# Altium PCB Quark_no.PcbDoc (part 2 of 3)
Units mil, origin at the board's own origin, x right, y up, seen from the top; angles counter-clockwise.
Board outline 877.01 x 1246.5 mil, 6 copper layers (Top1, Signal2, Power4, Gnd3, Signal5, Bottom6), stack 33.911 mil thick; 123 components, 164 nets, 918 pads, 390 vias.
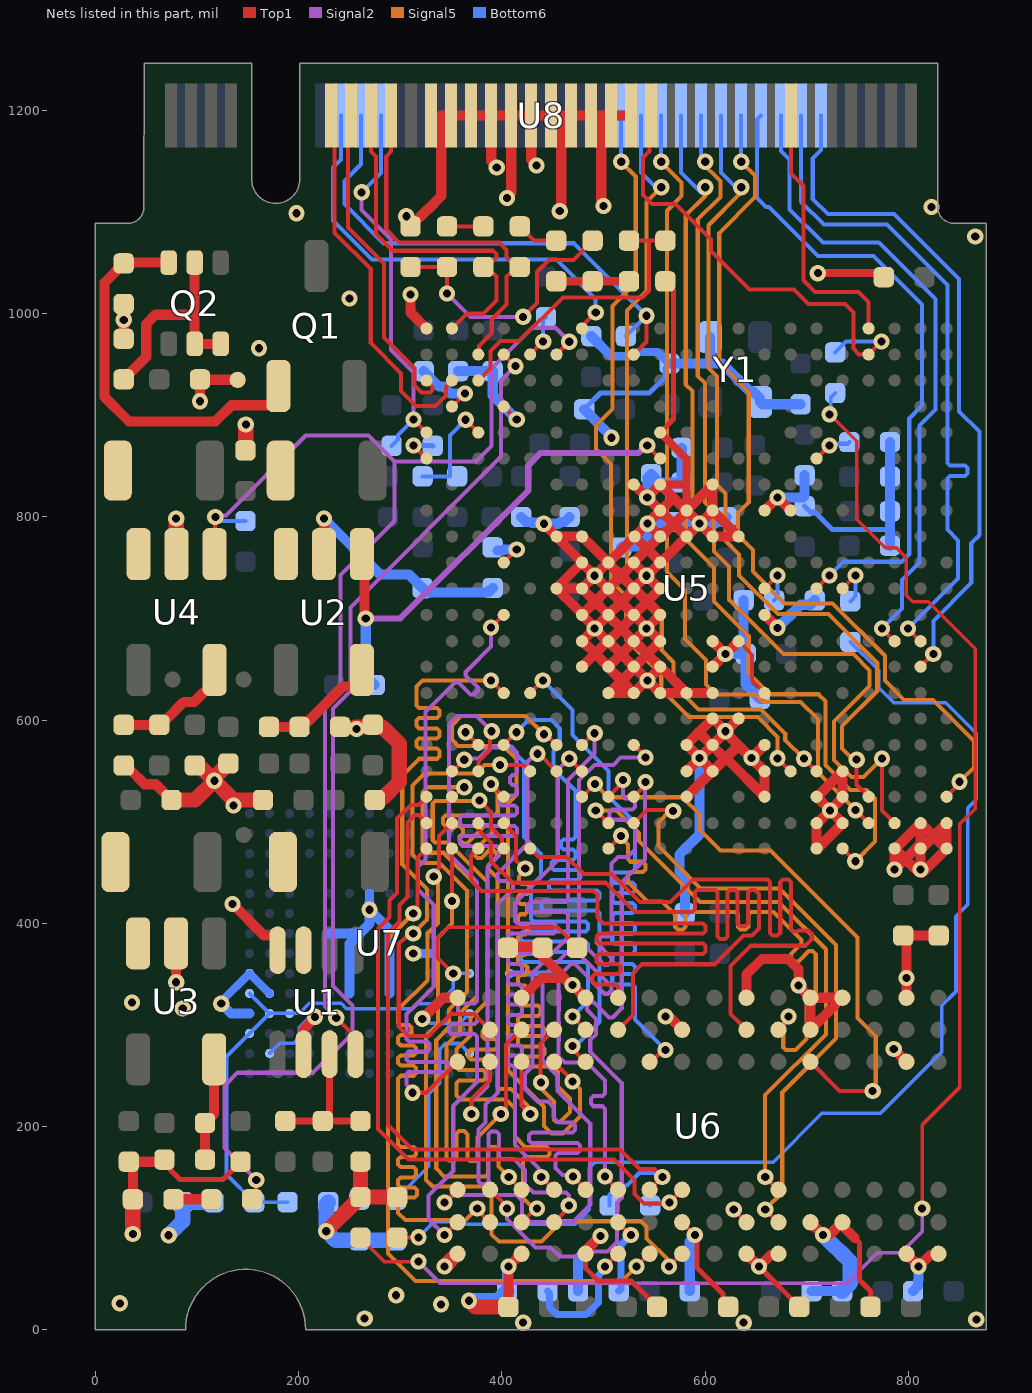
[diagram p6: the nets of this part, all layers, seen from the top]

## Via types
v1: diameter 16, hole 8, Top1 to Bottom6, tented both sides, 390 vias

## Nets (pads, with @x,y where several pads share a name; then routed paths per layer and width w, separated by ;. In a path a pad name is that pad's centre, name@x,y a point inside that pad or via, vN(x,y) a via of type N, cw(c..) or ccw(c..) an arc to the next point about the centre after c; other vN are vias at no path point) (continued)
GND: C1.1 C2.1 C3.1 C4.1 C6.1 C7.1 C8.1 C9.1 C10.1 C11.1 C13.1 C14.1 C15.1 C16.1 C17.1 C18.1 C19.1 C20.1 C21.1 C22.1 C24.1 C25.1 C26.1 C27.1 C28.1 C29.1 C30.1 C31.2 C32.1 C33.2 C34.1 C35.1 C36.1 C37.2 C38.1 C39.1 C40.1 C41.1 C42.1 C47.1 C48.2 C52.1 C53.1 C54.1 C55.1 C56.1 C57.2 C58.2 C59.1 C60.1 D1.2 D2.2 D3.2 R4.1 R5.1 R10.1 R11.1 R12.2 R13.1 R14.2 R15.2 R16.2 R19.1 R20.2 R32.1 R33.1 R35.1 T1.0 U1.4 U1.6 U2.2 U3.2 U4.2 U5.A20 U5.A21 U5.AA1 U5.B20 U5.B21 U5.C21 U5.E18 U5.E19 U5.E20 U5.F19 U5.F20 U5.F21 U5.G8 U5.H8 U5.H12 U5.H15 U5.H17 U5.H18 U5.H19 U5.J9 U5.J13 U5.J16 U5.K7 U5.K8 U5.K9 U5.K13 U5.K14 U5.K15 U5.K16 U5.K17 U5.K18 U5.L8 U5.L9 U5.L15 U5.L17 U5.L18 U5.L19 U5.M5 U5.M7 U5.M8 U5.M9 U5.M10 U5.M11 U5.M12 U5.M13 U5.M14 U5.M15 U5.N7 U5.N9 U5.N10 U5.N11 U5.N12 U5.N13 U5.N14 U5.N15 U5.P10 U5.P11 U5.P12 U5.P13 U5.P14 U5.P15 U5.R9 U5.R10 U5.R11 U5.R12 U5.R13 U5.R14 U5.T9 U5.T11 U6.A9 U6.B1 U6.B3 U6.B9 U6.D1 U6.D8 U6.E1 U6.E2 U6.E8 U6.F9 U6.G1 U6.G8 U6.G9 U6.J2 U6.J8 U6.M1 U6.M9 U6.P1 U6.P9 U6.T1 U6.T9 U7.A6 U7.C4 U7.E7 U7.G5 U7.H10 U7.J5 U7.K8 U7.N2 U7.N5 U7.P4 U7.P6 U8.27 U8.29 U8.31 U8.33 U8.35 U8.37 U8.39 U8.41 U8.43 U8.45 U8.47 Y1.2 Y1.4 | length 8666.4
  Top1 w3.5: C11.1@102.85,935.4 C11.1@103.25,935 ; U5.J13@633.05,677.65 646.2,664.5 646.2,639.09 U5.H15@658.64,626.65
  Top1 w4: U6.J8@577.48,105.81 v1(589.98,93.31) ; v1(628.22,118.31) U6.G8@640.72,105.81 ; U6.B9@797.7,74.81 v1(810.2,62.31)
  Top1 w5: R10.1@65.8,165.4 68.61,165.4 73.84,160.17 73.84,157.36 83.2,148 125.45,148 C1.1@142.85,165.4 ; U6.M9@482.48,74.81 482.48,60.52 495.16,47.84 527.56,47.84 R19.1@552.8,22.6 ; U5.M5@555.87,883.19 569,896.33 569,1022.62 560.98,1030.65 C48.2@560.98,1032 ; v1(589.98,93.31) 592,91.28 592,61 617.76,35.24 617.76,27.64 C14.1@622.8,22.6 ; v1(653.22,62.31) 692.8,22.73 C16.1@692.8,22.6 ; 747.2,90.33 752,85.54 752,49 762.8,38.2 C15.1@762.8,22.6
  Top1 w6: U6.J2@573.98,295.3 U6.J2@577.48,295.3
  Top1 w8: U8.39@448.57,1195.14 U8.39@449.33,1194.37 ; v1(457,1101) v1@458.41,1102.41 ; U8.45@505.72,1193.23 U8.45@507.62,1195.14 ; U5.M7@555.87,832.01 580.88,832.01 581.87,833 ; U5.M5@555.87,883.19 581.87,857.19 581.87,833 ; U5.L8@581.87,806.42 581.87,833 ; v1(711,1040) 772,1040 C52.1@776,1036
  Top1 w10: R11.1@27.85,555.4 32.85,550.4 34.99,550.4 48.49,536.9 59.35,536.9 C9.1@74.85,521.4 ; R13.1@27.85,975.4 v1(27.85,994) R14.2@27.85,1009.6 ; D2.2@36.8,128.4 36.8,161.45 C8.1@32.85,165.4 R10.1@65.8,165.4 ; v1(79.45,342) U3.2@79.45,380.26 ; v1@102.85,913.85 v1(102.85,913.94) C11.1@102.85,935.4 ; C11.1@103.25,935 T1.0@140,935 ; v1(135,419) 165.79,388.21 176.61,388.21 179.26,385.55 U1.4@179.26,373.58 ; U1.6@204.86,271.22 204.86,295.86 216,307 v1(216,308) ; U2.2@225,754 v1(225,798.45) ; v1(310,1019) 310,1001.42 U5.AA1@325.87,985.56 ; R32.1@310.18,1086 327.18,1103 327.45,1103 340.3,1115.85 340.3,1195.14 U8.29@350.14,1195.14 U8.31@369.83,1195.14 U8.33@389.51,1195.14 ; v1@323.6,308 342.39,326.79 U6.T1@356.48,326.79 ; v1@394,1146 389.51,1150.49 U8.33@389.51,1195.14 ; v1(405.18,1114) 405.18,1115.62 409.2,1119.64 U8.35@409.2,1195.14 ; C55.1@406,377 431,377 461.72,346.28 460.86,346.28 ; C17.1@406.4,22.4 406.4,62.24 v1(406.47,62.31) U6.P9@418.97,74.81 ; U6.P1@419.48,326.79 438.97,346.28 460.86,346.28 ; v1@434.58,1145.42 v1(434,1146) 434,1146.58 428.88,1151.7 U8.37@428.88,1195.14 ; v1(441.37,793.33) U5.T9@453.87,780.83 U5.R9@478.87,780.83 ; U5.T11@454.73,731.11 U5.R10@478.87,755.24 U5.T9@454.73,779.37 ; v1@458.41,1102.41 458.41,1195.14 ; U5.R12@478,705.52 U5.T11@453.87,729.65 U5.R11@478.87,729.65 ; U5.R14@478.87,652.65 491.87,665.65 ; U5.R13@478.87,677.65 v1(491.37,690.15) ; U5.R10@478.87,754.65 v1(491.37,742.15) ; U5.R13@480.73,676.78 491.87,665.65 ; U5.R9@480.73,779.37 U5.P10@504.87,755.24 ; U6.M9@482.48,74.81 482.48,76.43 485.48,79.43 485.48,80.81 v1(497,92.33) ; U6.M1@482.48,326.79 481.98,326.79 v1(469.47,339.3) 467.85,339.3 460.86,346.28 ; v1@491.37,691.15 U5.R12@478.87,703.65 491.87,716.65 ; v1(500,1106) 498.85,1107.15 498.85,1111.39 497.78,1112.46 497.78,1195.14 ; U5.P13@503,676.78 491.87,665.65 ; U5.P12@503,705.52 491.87,716.65 ; U5.P11@503,727.78 491.87,716.65 ; U5.P13@503.87,677.65 v1(491.37,690.15) ; U5.P12@503.87,702.65 v1(491.37,690.15) ; U5.P11@503.87,729.65 v1(491.37,742.15) ; U5.P10@503.87,754.65 v1(491.37,742.15) ; U5.P15@504.87,626.65 U5.N15@529.87,626.65 ; U5.P13@504.87,677.65 517.37,690.15 ; U5.P12@504.87,703.65 517.37,716.15 ; U5.P11@504.87,729.65 517.37,742.15 ; U5.P14@505.73,650.78 517.87,638.65 ; U5.P13@505.73,676.78 517.37,665.15 ; U5.P12@505.73,701.78 517.37,690.15 ; U5.P11@505.73,727.78 517.37,716.15 ; U5.P10@505.73,753.78 517.37,742.15 ; U5.P10@506.55,756.7 U5.N9@530.69,780.83 ; U5.P15@506.73,627.52 517.87,638.65 ; U8.47@527.31,1195.14 U8.45@507.62,1195.14 497.78,1195.14 ; U5.N13@529,676.78 517.37,665.15 ; U5.N12@529,701.78 517.37,690.15 ; U5.N11@529,728 529,727.78 517.37,716.15 ; U5.N10@529,753.78 517.37,742.15 ; U5.N14@529.87,652.65 517.37,665.15 ; U5.N10@529.87,754.65 v1(542.37,742.15) ; U5.N10@529.87,755.24 543.07,768.45 ; U5.N7@530.57,831.72 v1(543.07,819.22) ; U5.N14@531.73,653.52 543.37,665.15 ; U5.N13@531.73,676.78 543.37,665.15 ; U5.N12@531.73,705.52 542.87,716.65 ; U5.N11@531.73,727.78 542.87,716.65 ; v1@542.37,639.15 U5.N15@529.87,626.65 ; v1@542.37,691.15 U5.N12@529.87,703.65 517.37,716.15 ; v1@543.37,690.15 U5.M13@555.87,677.65 543.37,665.15 ; v1@543.37,742.74 U5.M10@555.87,755.24 ; v1@543.37,793.33 U5.M9@555.87,780.83 ; U5.M9@554,779.37 543.07,768.45 ; U5.M10@554.82,756.7 543.07,768.45 ; U5.M12@554.87,702.65 v1(542.37,690.15) U5.N13@529.87,677.65 517.37,690.15 ; U5.M11@554.87,729.65 v1(542.37,742.15) ; U5.M7@555.57,831.72 v1(543.07,819.22) ; U5.M14@555.87,651.65 v1(543.37,639.15) ; U5.M14@555.87,652.65 543.37,665.15 ; U5.M12@555.87,703.65 542.87,716.65 ; U5.M11@555.87,729.65 542.87,716.65 ; U5.M7@555.87,832.01 U5.L8@580,807.88 ; U5.M14@557.73,650.78 U5.L15@581.87,626.65 ; U5.M10@557.73,756.7 U5.L9@581.87,780.83 v1(594.66,793.63) ; U5.M9@558.03,781.99 569.16,793.13 ; v1@562.12,307.15 565.62,307.15 U6.J2@577.48,295.3 ; 567.41,817.56 v1(543.28,793.42) U5.N9@530.69,780.83 ; U5.L9@580,782.29 569.16,793.13 ; U5.L19@581.87,524.65 604,546.78 U5.K18@604,549 ; U5.L18@581.87,549.65 v1@594.66,562.45 ; U5.L17@581.87,575.65 v1(594.66,562.85) ; U5.L8@581.87,806.42 U5.K7@606,830.56 ; U5.L17@583.32,577.52 U5.K16@607.46,601.65 v1(619.96,589.15) 620.55,589.15 U5.J16@633.05,601.65 ; 593.87,588.13 593.9,588.1 606.9,575.1 618,564 ; v1@594.96,793.33 U5.K9@607.46,780.83 ; v1@595.25,793.63 607.75,806.13 620.25,793.63 ; U5.K15@607.46,626.65 U5.L15@581.87,626.65 ; U5.K14@607.46,652.65 v1(619.96,665.15) U5.K13@607.46,677.65 ; U5.K8@607.46,806.42 U5.K7@607.46,832.01 ; 618.64,564.64 620.55,562.74 U5.H19@658.64,524.65 U5.H18@658.64,549.65 v1(645.64,562.65) ; v1@618.8,586.99 U5.K17@607.46,575.65 v1(594.66,562.85) ; v1@620.55,665.15 U5.J13@633.05,677.65 ; 620.55,793.33 U5.J9@633.05,780.83 U5.K9@607.46,780.83 ; v1@621.5,586.78 v1(645.64,562.65) ; 631.59,573.78 U5.K18@607.46,549.65 v1@594.66,562.44 ; U6.G9@640.72,74.81 v1(653.22,62.31) 664.57,73.66 671.07,73.66 U6.F9@672.22,74.81 ; U6.G1@640.72,326.79 640.72,349.72 656,365 682,365 692,355 v1(692,339) 692,338.5 U6.E1@703.71,326.79 ; U5.H17@658.64,575.65 v1(645.64,562.65) ; U5.H12@658.64,703.65 v1(671.43,690.85) ; U5.H8@658.64,806.42 v1(671.43,819.22) ; v1@671.73,818.92 U5.G8@684.23,806.42 ; U6.E8@703.71,105.81 v1(716.21,93.31) 717.36,94.46 723.86,94.46 U6.D8@735.21,105.81 ; U5.F21@709.82,473.65 U5.F20@709.82,498.65 710.36,498.65 U5.F20@711.36,499.65 ; U5.F19@709.82,524.65 722.91,511.56 v1(722.91,511.15) ; U5.F21@711.28,474.52 U5.E20@735.41,498.65 v1(722.91,511.15) ; U5.F19@711.28,525.52 U5.E18@735.41,549.65 U5.E19@735.41,524.65 735.41,524.11 734.41,523.11 734.41,522.65 v1(722.91,511.15) ; U5.F20@711.41,499.65 v1(722.91,511.15) ; 727.85,319.43 U6.E2@703.71,295.3 U6.E1@703.71,326.79 ; U6.D1@735.21,326.79 U6.E1@703.71,326.79 ; U6.D8@738.21,99.33 747.2,90.33 ; v1(785.7,276.3) U6.B3@798.2,263.8 ; U5.C21@788.05,474.52 U5.B20@812.18,498.65 ; U6.B9@798.2,74.81 798.36,74.81 807.06,66.11 814,66.11 821.55,73.66 828.55,73.66 U6.A9@829.7,74.81 ; U6.B1@798.2,326.79 v1(798.2,346.28) 798.2,384.8 C22.1@795,388 C21.1@830,388 ; U5.B21@810.72,477.13 v1(786.59,453) U5.C21@786.59,473.65 806.09,454.15 811.03,454.15 v1(812.18,453) U5.B21@812.18,473.65 U5.B20@812.18,498.65 ; v1@813.64,449.52 U5.A21@837.77,473.65 ; U5.B21@813.64,474.52 U5.A20@837.77,498.65 U5.A21@837.77,478.59 ; U5.A21@836.32,474.52 U5.B20@812.18,498.65 ; U8.33@389.51,1195.14 U8.35@409.2,1195.14 ; U8.35@409.2,1195.14 U8.37@428.88,1195.14 ; U8.37@428.88,1195.14 U8.39@448.57,1195.14 458.41,1195.14 ; 458.41,1195.14 U8.41@468.25,1195.14 U8.43@487.94,1195.14 497.78,1195.14 ; U5.R11@478.87,729.65 491.87,716.65 ; U5.R11@478.87,729.65 v1(491.37,742.15) ; 491.87,665.65 U5.P14@504.87,652.65 517.37,665.15 ; 517.37,742.15 U5.N11@529.87,729.65 v1(542.37,742.15) ; 517.87,638.65 530.87,651.65 v1(543.37,639.15) ; 517.87,638.65 U5.N15@529.87,626.65 ; U5.N9@530.69,780.83 543.07,768.45 ; v1(543.07,819.22) U5.M8@555.87,806.42 556.07,806.22 569.16,793.13 ; v1(543.37,639.15) U5.M15@555.87,626.65 U5.L15@581.87,626.65 ; 569.16,793.13 582.16,806.13 v1(594.66,793.63) ; v1@594.66,562.45 v1(594.66,562.85) ; v1(594.66,793.63) U5.K9@607.46,780.83
  Top1 w15: v1(36.8,94.2) D2.2@36.8,128.4 ; C9.1@74.85,521.4 98,521.4 v1(117,540.4) ; v1(79.45,798.45) 79.45,763.86 U4.2@79.85,763.46 ; C4.1@97.85,555.4 100.35,552.9 104.5,552.9 v1(117,540.4) ; C6.1@130.85,557.4 117,543.55 v1(117,540.4) ; C7.1@147.65,865.6 148.05,866 v1(148.05,891) ; C3.1@164.85,521.4 136,521.4 v1(117,540.4) ; v1(227.2,97) D3.2@260.8,130.6 ; v1@255.8,593.4 282.6,593.4 299,577 299,539.4 283.5,523.9 277.5,523.9 C2.1@275,521.4 ; R5.1@260.85,165.51 260.8,165.46 D3.2@260.8,130.6 ; D1.2@297,130.6 D3.2@260.8,130.6 ; v1(343.47,62.31) 355.47,74.31 355.7,74.31 356.2,74.81 U6.T9@356.48,74.81 ; v1(367.7,28.59) 367.97,28.59 374.16,22.4 C17.1@406.4,22.4
  Bottom6 w3.5: v1(123.76,321) v1@123.76,322.81 ; U7.P6@151.66,350.71 U7.N5@171.35,331.03 ; U7.N2@171.35,271.97 181.26,281.88 195.09,281.88 200.81,287.61 200.81,297.81 v1@214,311 ; v1(321.6,306) 324.98,306 329.42,301.57 358.42,301.57 U7.C4@368.2,311.34
  Bottom6 w5: C30.1@481,905.91 497,921.91 545.07,921.91 560.74,937.58 560.74,946.74 C32.1@565,951 ; v1(508,878) v1@508,878.91 ; C27.1@698,810.62 703.96,804.66 708.34,804.66 725.29,787.71 782,787.71
  Bottom6 w6: U7.A6@407.57,350.71 458.06,350.71 v1(469.47,339.3)
  Bottom6 w8: v1@123.76,322.81 U7.P6@151.66,350.71 U7.N5@171.35,331.03 ; 506.5,959.5 507.77,958.23 529.9,958.23 534.05,962.37 553.08,962.37 564.46,951 C32.1@565,951
  Bottom6 w9.06: v1@269.77,420.7 U7.H10@269.77,429.45 ; v1@320.08,370.4 U7.E7@328.83,370.4
  Bottom6 w10: v1(123.76,321) 133.42,311.34 U7.P4@151.66,311.34 ; v1(225,798.45) 279.95,743.5 308.5,743.5 R12.2@322,730 326.35,725.65 385.51,725.65 387.26,727.4 387.26,726.41 R20.2@391,730.15 ; U7.K8@230.41,390.08 260.09,390.08 ; U7.J5@250.09,331.03 250.09,380.09 260.09,390.08 ; v1@269.78,420.7 v1(269.78,413.43) ; U7.G5@289.46,331.03 289.46,393.74 v1(269.78,413.43) ; v1(312.8,370.4) v1@320.08,370.4 ; R16.2@405,38 405,59.21 406.47,60.68 v1(406.47,62.31) ; C47.1@419,800 424,795 429.21,795 429.86,794.35 440.35,794.35 v1(441.37,793.33) 455.85,793.33 457.52,795 461.71,795 C41.1@466.71,800 ; R15.2@475,38 475,70.33 v1(497,92.33) ; C30.1@481,905.91 v1@508,878.91 ; C10.1@488,978 506.5,959.5 ; C40.1@517.46,770 518.34,770.87 534.87,770.87 543.28,779.28 v1(543.28,793.42) 566.79,793.42 C34.1@568.37,795 591.67,795 593.04,793.63 v1(594.66,793.63) 610.36,793.63 611.73,795 616.22,795 C35.1@621.22,800 ; v1(543.07,819.22) 543.67,819.82 543.67,838.67 C39.1@547,842 555,834 C29.1@577,834 C37.2@577,868 ; C32.1@565,951 604,951 ; C24.1@580.16,410 580.16,446.02 574.86,451.32 574.86,467.89 594.66,487.69 v1(594.66,562.85) ; C20.1@585,38 585,86.71 589.98,91.68 v1(589.98,93.31) ; Y1.2@605,977 605,952 604,951 ; v1(619.96,665.15) C25.1@640,665.15 ; C36.1@638,718 638,667.15 C25.1@640,665.15 ; C28.1@654,621 640,635 C25.1@640,665.15 ; v1(671.43,690.85) 694.15,713.57 703.57,713.57 C33.2@708,718 ; v1(671.43,819.22) 696.22,819.22 698,821 C26.1@698,841 ; C31.2@694,911 656.43,911 Y1.4@654.21,913.22 654.21,916.67 647.47,923.41 644.59,923.41 617,951 604,951 ; C19.1@705,38 C13.1@735,38 ; C42.1@782,771.71 782,787.71 C38.1@782,805.62 C53.1@782,839.71 R33.1@782,873.71 ; C18.1@804.68,38 809.68,43 809.68,48.34 810.2,48.86 v1(810.2,62.31) ; 260.09,390.08 269.78,399.78 v1(269.78,413.43)
  Bottom6 w15: v1(72.06,93) 85.89,106.83 85.89,125.49 R35.1@86,125.6 C58.2@116.2,125.6 ; C57.2@229.1,125.6 227.2,123.7 v1(227.2,97) 227.47,97 236.47,88 C60.1@259.8,88 C59.1@295.8,88 ; v1(367.7,28.59) 395.59,28.59 R16.2@405,38 ; v1(716.21,93.31) 743,66.52 743,46 C13.1@735,38
  other v1: 421,7 638,7 867,10 265,11 340,25 24,26 296,34 560.98,308.3 85.98,316.12 36,322 135.98,516.12 257,591.4 160.98,966.12 250,1015 866,1076 306,1096 198,1099 823,1105 395,1144
GPIOA10/STATUS-LED: R36.1 U5.E11 | length 45.7
  Top1 w4: U5.E11@735.41,729.65 v1(748.21,742.45)
  Bottom6 w4: R36.1@743,717 748.21,722.21 v1(748.21,742.45)
GPIOG11: R38.1 U5.D2 U8.49 | length 462
  Top1 w4: U8.49@545.41,1193.56 545.41,1159.98 539,1153.57 539,1117 548,1108 571.04,1108 606,1073.04 606,1061.8 643.8,1024 687.64,1024 702.04,1009.6 737.6,1009.6 746,1001.2 746,965.64 751.67,959.96 U5.D2@761,959.96 v1(773.8,972.76)
  Bottom6 w4: R38.1@728,962 738.76,972.76 v1(773.8,972.76)
GPIOG12/USB0-OTGID: U5.D1 U8.63 | length 266.1
  Top1 w4: U8.63@684.79,1195.14 684.79,1138.21 697,1126 697,1033 708.4,1021.6 751,1021.6 761,1011.6 U5.D1@761,985.56
GPIOL3/K1: U5.R1 U8.18 | length 431.6
  Top1 w4: U5.R1@478.87,985.56 478.87,987.72 482.2,991.06 482.2,991.19 v1(492.37,1001.35)
  Bottom6 w4: U8.18@241.87,1195.14 241.87,1151.87 234,1144 234,1091.8 272.4,1053.4 453.6,1053.4 492.37,1014.63 v1(492.37,1001.35)
GPIOL4/RECOVERY: R23.1 U5.N2 U8.20 | length 508.8
  Top1 w4: U5.N2@529.87,959.96 542.37,972.46 v1(542.37,998.06)
  Bottom6 w4: U8.20@261.56,1195.14 261.56,1147.16 245,1130.6 245,1108 283.6,1069.4 471.02,1069.4 v1(542.37,998.06) 522.31,978 R23.1@522,978
GPIOL8/PWR-STB: R6.1 U1.8 U4.1 U5.T2 | length 1197.8
  Top1 w4: U4.1@117.25,763.46 117.63,763.83 117.63,799.63 v1(118,800) ; v1(237.04,307) 256.04,288 U1.8@256.04,271.22 ; U5.T2@453.87,959.96 v1(466.37,972.46)
  Signal2 w4: v1(118,800) 119.4,801.4 128.4,801.4 207,880 268.73,880 294.23,854.5 ; v1(237.04,307) 237.04,307.31 226,318.34 226,620 241,635 241,743 294.23,796.23 294.23,854.5 ; v1(466.37,972.46) 452.57,986.26 430.26,986.26 390,946 390,870 374.5,854.5 294.23,854.5
  Bottom6 w4: 125.25,796 R6.1@147.65,796
GPIOL9/PWR-DRAM: R1.1 U2.1 U5.M6 | length 514.2
  Top1 w4: v1(543.07,870.4) U5.M6@555.87,857.6
  Top1 w10: U2.1@262.25,763.46 264.85,760.86 264.85,701.3 v1(266,700.15)
  Signal2 w6: v1(266,700.15) 300.15,700.15 426,826 426,850.62 438.38,863 534.56,863 541.95,870.4 v1(543.07,870.4)
  Bottom6 w10: v1(266,700.15) 266,643.4 R1.1@274.8,634.6
GPIOL10/PWR-LED: R37.1 U5.V2 | length 1032
  Top1 w4: R37.1@154.2,128.4 158.28,132.48 v1(158.28,147.5) v1@156,149.78 ; U5.V2@401.87,959.96 v1(413.37,948.46)
  Signal2 w4: v1(158.28,147.5) 127,178.78 127,240 140,253 214.23,253 253,291.77 253,319.31 234,338.31 234,611.7 251,628.7 251,711 399.35,859.35 399.35,934.45 v1(413.37,948.46)
I2C0_SCL: U5.F11 U8.60 | length 645.3
  Top1 w4: U5.F11@709.82,729.65 v1(722.61,742.45)
  Bottom6 w4: U8.60@655.26,1195.14 651.35,1191.23 651.35,1163.65 651,1163.3 651,1114 660,1105 663,1105 711,1057 766,1057 813.7,1009.3 813.7,909.7 801,897 801,763.32 793.63,755.95 736.11,755.95 v1(722.61,742.45)
I2C0_SDA: U5.C13 U8.62 | length 639.5
  Top1 w4: v1(774.09,690.15) U5.C13@786.59,677.65
  Bottom6 w4: U8.62@674.94,1195.14 674.94,1160.06 683.22,1151.78 683.22,1102.78 716,1070 771,1070 826.68,1014.32 826.68,905.68 811,890 811,755 794,738 794,710.06 v1(774.09,690.15)
I2C1_SCL: U5.B13 U8.64 | length 677.1
  Top1 w4: v1(799.68,690.15) U5.B13@812.18,677.65
  Bottom6 w4: U8.64@694.63,1195.14 694.63,1110.23 716.86,1088 779,1088 838.48,1028.52 838.48,853 840.98,850.5 855.73,850.5 858.23,848 858.23,843 855.73,840.5 840.98,840.5 838.48,838 838.48,787.52 849,777 849,739.47 v1(799.68,690.15)
I2C1_SDA: U5.B14 U8.66 | length 675.9
  Top1 w4: U5.B14@812.18,652.65 v1(824.68,665.15)
  Bottom6 w4: U8.66@714.31,1195.14 714.31,1161.31 706,1153 706,1113 721,1098 786.05,1098 850,1034.05 850,904 870,884 870,782 862,774 862,735 824.68,697.68 v1(824.68,665.15)
IR-RX: R24.1 U5.U2 | length 43.2
  Top1 w4: U5.U2@427.87,959.96 v1(440.66,972.76)
  Bottom6 w4: v1(440.66,972.76) 440.66,993.97 R24.1@443.41,996.71
KEYADC: R27.2 U5.AA5 U8.22 | length 381.3
  Top1 w4: v1(313.07,895.99) U5.AA5@325.87,883.19
  Signal2 w4: v1(262,1119.5) 262,1102.18 291,1073.18 291,964.32 313.07,942.25 v1(313.07,895.99)
  Bottom6 w4: v1(262,1119.5) 281.24,1138.74 U8.22@281.24,1195.14 ; R27.2@291.46,870 297.61,876.15 297.61,880.53 v1(313.07,895.99)
LINEOUTL: U5.AA3 U8.19 | length 328.3
  Top1 w4: U8.19@251.72,1195.14 248.37,1191.79 248.37,1085.01 284,1049.38 284,976.47 313.85,946.62 313.85,929.42 320.9,922.37 329.52,922.37 331.87,924.72 331.87,928.03 325.87,934.03 U5.AA3@325.87,934.37
LINEOUTR: U5.Y3 U8.17 | length 371.3
  Top1 w4: U8.17@232.03,1195.14 235.37,1191.79 235.37,1079.63 271,1044 271,971.09 300.85,941.23 300.85,924.03 315.51,909.37 334.91,909.37 344.87,919.33 344.87,928.03 350.87,934.03 U5.Y3@350.87,934.37
MBIAS: C48.1 R29.2 U5.W3 | length 299.9
  Top1 w4: U5.W3@376.87,934.37 389,946.51 389,963.4 398.6,973 417,973 460,1016 538.6,1016 545,1022.4 545,1072 ; R29.2@525.15,1072 545,1072 ; C48.1@560.98,1072 545,1072
MIC1N: C51.2 R31.2 | length 35.8
  Top1 w4: R31.2@346,1086 C51.2@381.83,1086
MIC1P: C49.2 R30.1 | length 41.6
  Top1 w4: C49.2@417.66,1086 431.66,1072 R30.1@453.49,1072
MICIN1N: C51.1 U5.Y1 U8.21 | length 361
  Top1 w4: U8.21@271.4,1195.14 271.4,1159.6 276.24,1154.76 276.24,1078.62 292.86,1062 391.39,1062 394.75,1058.64 394.75,1055.33 391.57,1052.15 387.98,1052.15 C51.1@381.83,1046 387.98,1039.85 391.57,1039.85 394.75,1036.67 394.75,1013.14 381.61,1000 365.31,1000 U5.Y1@350.87,985.56
MICIN1P: C49.1 U5.W2 U8.23 | length 370.6
  Top1 w4: U8.23@291.09,1195.14 291.09,1159.84 286.24,1155 286.24,1082.76 299,1070 397.53,1070 404.75,1062.78 404.75,1055.33 407.93,1052.15 411.51,1052.15 C49.1@417.66,1046 411.51,1039.85 407.93,1039.85 404.75,1036.67 404.75,1009 390.07,994.32 390.07,981.07 377.4,968.4 377.4,960.5 U5.W2@376.87,959.96 U5.W2@376.66,959.96
NetC5_1: C5.1 R2.1 R5.2 U1.7 | length 142.4
  Top1 w7: C5.1@186.85,205.51 R2.1@223.85,205.51 ; U1.7@230.45,271.22 230.45,212.92 223.85,206.33 R2.1@223.85,205.51 ; R5.2@260.85,205.51 R2.1@223.85,205.51
NetC33_1: C33.1 U5.H11 | length 44
  Top1 w4: U5.H11@658.64,729.65 v1(671.43,742.45)
  Bottom6 w4: C33.1@668,718 671.43,721.43 v1(671.43,742.45)
NetC43_1: C43.1 U5.Y4 | length 67.9
  Top1 w4: U5.Y4@350.87,908.78 v1(363.66,921.58)
  Bottom6 w10: C43.1@323,943.56 338.06,928.5 342.59,928.5 349.51,921.58 v1(363.66,921.58)
NetC44_2: C44.2 R25.2 U5.W5 | length 106.5
  Top1 w4: v1(364.37,895.69) U5.W5@376.87,883.19
  Bottom6 w4: C44.2@322,840 348.68,840 349,840.32 349,880.33 v1(364.37,895.69)
NetC45_2: C45.2 C46.2 U5.V4 | length 109.5
  Top1 w4: U5.V4@401.87,908.78 v1(414.66,895.99)
  Bottom6 w10: C46.2@357,943.56 C45.2@391,943.56 391,919.65 v1(414.66,895.99)
NetC50_1: C50.1 R31.1 R32.2 | length 263.7
  Top1 w4: R32.2@310.18,1046 R31.1@346,1046 v1(346,1020) ; v1(421,997) 434.66,1010.66 434.66,1041.35 446.31,1053 470.32,1053 C50.1@489.32,1072
  Signal2 w4: v1(346,1020) 369.01,997 v1(421,997)
NetC50_2: C50.2 R29.1 R30.2 | length 71.7
  Top1 w8: R30.2@453.49,1032 C50.2@489.32,1032 R29.1@525.15,1032
NetC57_1: C57.1 C58.1 R34.2 U7.C6 U7.M4 U7.N4 U7.P3 U7.P5 | length 691.9
  Top1 w3.5: v1(352.17,350.72) 337,365.89 337,386 347,396 455,396 R34.2@474,377
  Bottom6 w3.5: U7.P5@151.66,331.03 U7.N4@171.35,311.34 ; C57.1@189.1,125.6 C58.1@156.2,125.6 129,152.8 129,269 U7.P3@151.66,291.66 U7.N4@171.35,311.34 ; U7.C6@368.2,350.71 359.45,350.71 v1(352.17,350.72) 352.17,336.17 336.78,320.78 316.93,320.78 312.19,316.04 247.04,316.04 241.84,321.25 210.51,321.25 200.81,311.55 191.24,311.55 U7.M4@191.03,311.34 U7.N4@171.35,311.34
NetC59_2: C59.2 C60.2 U7.C2 | length 237.2
  Bottom6 w3.5: C60.2@259.8,128 295,128 328,161 328,232 338.74,242.74 338.74,276.03 344.47,281.75 358.42,281.75 U7.C2@368.2,271.97
NetD1_1: D1.1 R36.2 | length 1137
  Top1 w3.5: D1.1@297,90.6 297.2,90.8 317.8,90.8 v1(318,91)
  Bottom6 w3.5: v1(318,91) 333.56,106.56 356.44,106.56 359,104 472,104 486,118 486,159.33 491.67,165 667,165 715,213 772.63,213 833,273.37 833,319 847,333 847,407 858.5,418.5 858.5,513.5 867,522 867,587 837,617 786,617 771,632 771,649 R36.2@743,677
NetD2_1: D2.1 R37.2 | length 37.4
  Top1 w10: D2.1@76.8,128.4 R37.2@114.2,128.4
NetD3_1: D3.1 R38.2 | length 1521.2
  Top1 w3.5: D3.1@260.8,90.6 284.28,67.12 v1(318,67.12) ; v1(722.61,901) 749.2,874.41 749.2,797.8 777.42,769.58 788.42,769.58 798.2,759.8 798.2,722.8 804.55,716.45 819.55,716.45 865.82,670.18 865.82,512.82 850.52,497.52 850.52,238.52 814,202 v1@814,114
  Signal2 w3.5: v1(318,67.12) 339.12,46 740,46 770,76 793,76 813.7,96.7 v1(813.7,119.31)
  Bottom6 w3.5: v1(722.61,901) 723.65,902.04 723.65,917.65 R38.2@728,922
NetL1_1: L1.1 U1.3
NetL2_1: L2.1 U2.3
NetL3_1: L3.1 U3.3
NetL4_1: L4.1 U4.3
NetQ1_1: Q1.1 Q2.3 R14.1 | length 386.4
  Top1 w10: Q2.3@72.06,1050.4 28.65,1050.4 R14.1@27.85,1049.6 9,1030.75 9,917.97 32.97,894 118,894 134,910 173,910 180.05,917.05 Q1.1@180.05,928.95
NetQ2_2: Q2.2 Q2.5 Q2.6 R13.2 | length 221.2
  Top1 w10: R13.2@27.85,935.4 50,957.55 50,990.01 58.99,999 96.65,999 97.65,998 ; Q2.2@97.65,1050.4 97.65,998 ; Q2.6@123.24,970.4 Q2.5@97.65,970.4 97.65,998
NetR3_2: R3.2 R4.2 U2.5 | length 120.3
  Top1 w10: R3.2@170.85,593.4 195.85,593.4 200.85,598.4 208.85,598.4 243.5,633.05 255.51,633.05 262.25,639.79 U2.5@262.25,649.46
NetR8_2: R8.2 R10.2 U3.5 | length 102.5
  Top1 w10: R10.2@107.88,167.48 R8.2@107.88,203.48 116.85,212.45 U3.5@116.85,266.26
NetR9_1: R9.1 R11.2 U4.5 | length 118.5
  Top1 w10: R11.2@27.85,595.4 R9.1@62.85,595.4 67.85,600.4 69.4,600.4 87,618 97.23,618 117.25,638.02 U4.5@117.25,649.46
NetR15_1: R15.1 U6.L8 | length 77.9
  Top1 w4: U6.L8@514.48,105.81 v1(526.98,93.31)
  Bottom6 w7: R15.1@515,38 517.37,40.37 517.37,83.7 v1(526.98,93.31)
NetR16_1: R16.1 U6.L9 | length 128.4
  Top1 w4: v1(501.47,62.31) U6.L9@513.97,74.81
  Bottom6 w7: R16.1@445,38 446.96,36.04 446.96,22.04 454,15 483,15 495,27 495,53.71 501.47,60.18 v1(501.47,62.31)
NetR20_1: R20.1 U5.V10 | length 37.1
  Top1 w4: U5.V10@401.87,755.24 v1(414.66,768.04)
  Bottom6 w10: R20.1@396,767.15 400.97,767.15 401.86,768.04 v1(414.66,768.04)
NetR28_2: R28.2 U5.AA6 | length 37.2
  Top1 w4: v1(313.07,870.4) U5.AA6@325.87,857.6
  Bottom6 w5: v1(313.07,870.4) 313.27,870.2 331.8,870.2 R28.2@332,870
NetR33_2: R33.2 U5.F6 | length 38.9
  Top1 w4: U5.F6@709.82,857.6 v1(722.61,870.4)
  Bottom6 w4: v1(722.61,870.4) 724.27,872.05 740.34,872.05 R33.2@742,873.71
SA0: U5.T17 U6.N3 | length 693.4
  Top1 w4: v1@442.37,587.15 U5.T17@453.87,575.65 ; U6.N3@450.97,263.8 v1@470.47,244.3
  Signal5 w4: v1(441.37,586.15) 423.52,604 360,604 350.87,594.87 350.87,580.78 357,574.65 401.35,574.65 414.37,561.63 414.37,526.37 405.94,517.94 405.94,255.07 441.51,219.5 441.51,200.49 449,193 460,193 477,210 477,236.77 v1(469.47,244.3)
SA1: U5.U18 U6.P7 | length 689.3
  Top1 w4: v1(398.3,556) 421.52,556 U5.U18@427.87,549.65 ; v1(406.78,150.34) U6.P7@419.28,137.84
  Signal5 w4: v1(398.3,556) 383,556 374.5,547.5 323.75,547.5 312,535.75 312,467.7 320.2,459.5 338.59,459.5 365.67,432.42 365.67,332.67 348,315 348,297.76 335.45,285.21 335.45,158.55 343,151 384,151 386.5,153.5 386.5,177.17 389,179.67 394,179.67 396.5,177.17 396.5,160.62 v1(406.78,150.34)
SA2: U5.V19 U6.P3 | length 665
  Top1 w4: v1(389.37,537.15) U5.V19@401.87,524.65 ; U6.P3@419.48,263.8 419.48,220.84 v1(428.01,212.3)
  Signal5 w4: v1(389.37,537.15) 389.37,535.38 395.94,528.81 395.94,508.94 393,506 344.34,506 342,503.66 342,498.52 349.26,491.26 350.16,491.26 354.64,495.74 358.17,495.74 361.71,492.2 361.71,488.67 358.55,485.51 358.55,481.97 362.08,478.43 365.62,478.43 383.78,496.6 387.32,496.6 390.85,493.06 390.85,489.53 372.69,471.36 372.69,467.83 376.23,464.29 379.76,464.29 387.92,472.45 391.46,472.45 394.99,468.92 394.99,465.38 386.83,457.22 386.83,453.69 395.67,444.85 395.67,298.5 393.17,296 383.5,296 381,293.5 381,288.5 383.5,286 393.17,286 395.67,283.5 395.67,278.5 393.17,276 369.5,276 367,273.5 367,268.5 369.5,266 393.17,266 395.67,263.5 395.67,239.33 398.07,236.93 408.93,236.93 425.72,220.14 425.72,214.6 v1(428.01,212.3)
SA3: U5.V20 U6.N2 | length 666.1
  Top1 w4: U5.V20@401.87,498.65 414,486.52 414,462 v1@422.5,453.5 ; v1(438.47,243.3) 437.98,243.8 437.98,281.8 U6.N2@451.48,295.3
  Signal5 w4: v1@422,453 422,451 417,446 417,441.23 419.34,438.89 424.89,438.89 427.28,436.5 427.28,431.5 424.78,429 418.44,429 415.94,426.5 415.94,421.5 418.44,419 423,419 425,417 425,411 423,409 418.44,409 415.94,406.5 415.94,401.5 418.44,399 423,399 425,397 425,391 423,389 418.44,389 415.94,386.5 415.94,381.5 418.44,379 423,379 425,377 425,371 423,369 418.44,369 415.94,366.5 415.94,361.5 418.44,359 423,359 425,357 425,351 423,349 418.44,349 415.94,346.5 415.94,341.5 418.44,339 423,339 425,337 425,331 423,329 418.44,329 415.94,326.5 415.94,321.5 418.44,319 435.72,319 438.22,316.5 438.22,311.5 435.72,309 418.44,309 415.94,306.5 415.94,301.5 418.44,299 439.17,299 441.67,296.5 441.67,291.5 439.17,289 418.44,289 415.94,286.5 415.94,281.5 418.44,279 439.67,279 442.17,276.5 442.17,271.5 439.67,269 418.94,269 416.44,266.5 416.44,261.5 418.94,259 450,259 455,254 455,239.68 467,227.68 467,214.14 457.17,204.31 453.86,204.31 451.51,206.66 451.51,224.49 440.77,235.23 440.77,241 v1(438.47,243.3) v1@438.47,244.75
  other v1: 423,454
SA4: U5.V21 U6.P8 | length 719.7
  Top1 w4: v1(378,521) 389.37,509.63 389.37,494.63 400.34,483.66 400.34,475.18 U5.V21@401.87,473.65 ; U6.P8@419.5,106 v1@432,118.5
  Signal5 w4: v1(378,521) 377.5,520.5 334.34,520.5 332,518.16 332,481.84 334.34,479.5 346.88,479.5 385.67,440.7 385.67,323.67 369,307 369,289.86 355.45,276.31 355.45,258 357.95,255.5 381.62,255.5 384.12,253 384.12,248 381.62,245.5 357.95,245.5 355.45,243 355.45,230.55 359.2,226.8 404.2,226.8 413,218 413,190 423,180 444.42,180 446.92,177.5 446.92,172.5 444.42,170 423.5,170 421,167.5 421,129.5 v1@432,118.5
  other v1: 434.58,119.34
SA5: U5.Y19 U6.P2 | length 693.2
  Top1 w4: U5.Y19@350.87,524.65 352.26,524.65 361.61,534 v1(363,534) ; v1(399,212.3) 404.3,217.6 404.3,280.62 U6.P2@418.97,295.3
  Signal5 w4: v1(363,534) 327,534 322,529 322,471.84 324.34,469.5 342.73,469.5 375.67,436.56 375.67,328.53 359,311.86 359,294 345.45,280.45 345.45,169.33 347.95,166.83 352.95,166.83 355.45,169.33 355.45,193 357.95,195.5 363,195.5 366.16,192.34 366.16,168.66 368.66,166.16 373.66,166.16 376.16,168.66 376.16,189.46 v1(399,212.3)
SA6: U5.Y20 U6.R8 | length 673.5
  Top1 w4: v1@335.3,451.54 338,454.25 338,485.78 U5.Y20@350.87,498.65 ; v1@375.78,118.34 U6.R8@388.28,105.84
  Signal5 w4: v1(333,446) 333,442.75 337,438.75 337,400.14 327,390.14 327,344 298,315 298,305 298,302.5 300.5,300 308.61,300 311.11,297.5 311.11,292.5 308.61,290 300.5,290 298,287.5 298,282.5 300.5,280 312.95,280 315.45,277.5 315.45,272.5 312.95,270 300.5,270 298,267.5 298,262.5 300.5,260 312.95,260 315.45,257.5 315.45,252.5 312.95,250 300.5,250 298,247.5 298,246 298,188 298,182.5 300.5,180 312.95,180 315.45,177.5 315.45,172.5 312.95,170 300.5,170 298,167.5 298,162.5 300.5,160 312.95,160 315.45,157.5 315.45,152.5 312.95,150 300.5,150 298,147.5 298,142.5 300.5,140 314.17,140 316.67,137.5 316.67,132.5 314.17,130 300.5,130 298,127.5 298,120 298,115 305,108 364.45,108 v1(375.78,119.34)
SA7: U5.V15 U6.R2 | length 686.6
  Top1 w4: v1(312.8,390) 309.55,390 305.56,386 305,386 298.5,379.5 298.5,298.5 308,289 328,289 350,311 372.77,311 U6.R2@388.48,295.3 ; v1(389.37,639.15) U5.V15@401.87,626.65
  Signal5 w4: v1(312.8,390) 312.8,390.09 326.3,403.59 326.3,433.61 302,457.91 302,545.5 318.5,562 336.31,562 338.81,564.5 338.81,569.5 336.31,572 318.5,572 316,574.5 316,579.5 318.5,582 336.31,582 338.81,584.5 338.81,589.5 336.31,592 318.5,592 316,594.5 316,599.5 318.5,602 336.31,602 338.81,604.5 338.81,609.5 336.31,612 318.5,612 316,614.5 316,633.15 322,639.15 v1(389.37,639.15)
SA8: U5.W18 U6.T8 | length 737.9
  Top1 w4: v1(343.47,93.31) U6.T8@355.97,105.81 ; U5.W18@376.87,549.65 376.87,559.39 388.37,570.89 388.37,590.65 v1@389,591.29
  Signal2 w4: v1(343.47,93.31) 328,108.78 328,132 352.17,156.17 352.17,220.33 375.67,243.83 375.67,286 375.67,288.5 373.17,291 350.5,291 348,293.5 348,298.5 350.5,301 373.17,301 375.67,303.5 375.67,308.5 373.17,311 359.14,311 356.64,313.5 356.64,318.5 359.14,321 373.17,321 375.67,323.5 375.67,331 375.67,341 375.67,343 375.67,440.47 348,468.14 348,596 356.15,604.15 375,604.15 v1(390,589.15)
SA9: U5.Y18 U6.R3 | length 735.3
  Top1 w4: U5.Y18@350.87,549.65 351.26,549.65 362.61,561 v1(363,561) ; v1(369.98,212.3) 369.98,226.98 388.48,245.48 U6.R3@388.48,263.8
  Signal2 w4: v1(363,561) 364.15,562.15 377.15,562.15 389,574 409.37,574 415,568.37 415,548.5 412.5,546 410.39,546 407.89,543.5 407.89,538.5 410.39,536 412.5,536 415,533.5 415,528.5 412.5,526 400.31,526 397.81,523.5 397.81,518.5 400.31,516 412.5,516 415,513.5 415,508.5 412.5,506 361.18,506 358.68,503.5 358.68,498.5 361.18,496 412.5,496 415,493.5 415,488.5 412.5,486 361.31,486 358.81,483.5 358.81,478.5 361.31,476 394.66,476 397,473.66 397,467 385.67,455.67 385.67,239.69 369.98,224 v1(369.98,212.3)
SA10: U5.P19 U6.L7 | length 706.2
  Top1 w4: v1(501.47,150.81) U6.L7@513.97,138.31 ; U5.P19@504.87,524.65 v1@517.37,537.15
  Signal2 w4: 455.97,284.89 455.97,269.03 462,263 483.86,263 501.47,245.39 501.47,232.5 498.97,230 490.14,230 487.64,227.5 487.64,222.5 490.14,220 498.97,220 501.47,217.5 v1(501.47,150.81) ; 456,284.92 456,302.68 ; 455.97,302.71 455.97,313.89 ; 456,313.92 456,333.68 ; 455.97,333.71 455.97,347.53 468.28,359.84 471.82,359.84 500.93,330.73 504.47,330.73 508,334.26 508,337.8 478.89,366.91 478.89,370.45 482.43,373.98 485.96,373.98 500.93,359.01 504.47,359.01 508,362.55 508,366.08 493.03,381.05 493.03,384.59 495.45,387 505,387 508,390 508,459 514.5,465.5 523.5,465.5 530.87,472.87 530.87,499.5 528.37,502 508.26,502 505.76,504.5 505.76,509.5 508.26,512 528.37,512 530.87,514.5 530.87,519 526.87,523 521.71,523 519.37,525.34 v1(519.37,541.15)
SA11: U5.N19 U6.R7 | length 706.7
  Top1 w4: U6.R7@388.67,137.78 v1@401.17,125.28 ; U5.N19@529.87,524.65 v1@542.37,537.15
  Signal2 w4: v1(405.18,119.34) 405.18,108.82 433,81 448,81 457,72 477.48,72 482.48,77 504,77 513.48,86.48 513.48,125 518,129.52 518,243 487,274 487,285 492.64,290.64 492.64,306 483.66,314.98 483.66,318.52 487.2,322.05 490.73,322.05 505.63,307.16 509.16,307.16 518,316 518,440 540.87,462.87 540.87,527.01 541.04,527.18 541.04,538.82 v1(541.37,539.15)
SA12: U5.R18 U6.N7 | length 732.8
  Top1 w4: v1(438.78,150.34) U6.N7@451.28,137.84 ; v1(466.37,562.15) U5.R18@478.87,549.65
  Signal2 w4: v1(438.78,150.34) 436.49,152.63 436.49,158.51 413,182 413,257.5 410.5,260 408.5,260 406,262.5 406,267.5 408.5,270 417.5,270 420,272.5 420,277.5 417.5,280 408.5,280 406,282.5 406,287.5 408.5,290 417.5,290 420,292.5 420,297.5 417.5,300 408.5,300 406,302.5 406,307.5 408.5,310 417.5,310 420,312.5 420,317.5 417.5,320 408.5,320 406,322.5 406,327.5 408.5,330 417.5,330 420,332.5 420,337.5 417.5,340 408.5,340 406,342.5 406,347.5 408.5,350 417.5,350 420,352.5 420,357.5 417.5,360 408.5,360 406,362.5 406,367.5 408.5,370 434.69,370 437.19,372.5 437.19,377.5 434.69,380 408.5,380 406,382.5 406,387.5 408.5,390 450.69,390 453.19,392.5 453.19,397.5 450.69,400 415.5,400 413,402.5 413,420 455,462 455,550.78 v1(466.37,562.15)
SA13: U5.V12 U6.T3 | length 735.5
  Top1 w4: v1(311.95,233.3) 325.98,233.3 U6.T3@356.48,263.8 ; v1(389.37,691.15) U5.V12@401.87,703.65
  Signal2 w4: v1(311.95,233.3) 311.95,235.69 306,241.64 306,251.14 308.5,253.64 345.22,253.64 347.72,256.14 347.72,261.14 345.22,263.64 308.5,263.64 306,266.14 306,271.14 308.5,273.64 325.28,273.64 ; 325.28,283.64 308.5,283.64 306,286.14 306,311 333,338 333,418 317.5,433.5 317.5,455.5 325,463 325,608.14 345,628.14 348.54,631.68 353.84,636.98 357.37,636.98 369.25,625.1 372.79,625.1 376.33,628.64 376.33,632.17 364.45,644.05 364.45,647.59 366.93,650.07 389.37,672.51 v1(389.37,691.15) ; 326.28,273.64 328.78,276.14 328.78,281.14 326.28,283.64
SA14: U5.N17 U6.T7 | length 734.9
  Top1 w4: v1(343.47,125.31) U6.T7@355.97,137.81 ; U5.N17@529.87,575.65 v1@542.37,563.15
  Signal2 w4: v1(343.47,125.31) 344.29,125.31 351.81,132.84 414.32,132.84 420,127.16 420,114 428.16,105.84 469.84,105.84 487,123 487,203 455,235 455,250 440,265 440,347.02 476,383.02 ; 475.9,383.13 476,383.23 476,541 491,556 509.85,556 517,563.15 v1(541.37,563.15)
SA15: U5.R17 U6.M7 | length 730.1
  Top1 w4: v1(469.98,150.81) U6.M7@482.48,138.31 ; U5.R17@478.87,575.65 v1@491.37,588.15
  Signal2 w4: v1(469.98,150.81) 468.47,152.32 459.68,152.32 453,159 453,171.5 455.5,174 474.5,174 477,176.5 477,181.5 474.5,184 429.44,184 426.94,186.5 426.94,191.5 429.44,194 469.5,194 472,196.5 472,201.5 469.5,204 456,204 451,209 451,219 445.29,224.71 435.29,224.71 423,237 423,252 430,259 430,351.17 465,386.17 465,391.17 465,401.17 465,408.67 462.5,411.17 428.31,411.17 425.81,413.67 425.81,418.67 428.31,421.17 462.5,421.17 465,423.67 465,425 465,541 491.37,567.37 v1(491.37,587.15) v1@491.37,588.15
SBA0: U5.W17 U6.M2 | length 680.5
  Top1 w4: v1(364.37,588.15) U5.W17@376.87,575.65 ; v1(469.47,308.3) U6.M2@481.97,295.8
  Bottom6 w4: v1(364.37,588.15) 379.52,573 408,573 422,559 422,485 438.72,468.28 438.72,446.72 434.5,442.5 428.53,436.53 428.53,404.5 431.03,402 482.5,402 485,399.5 485,394.5 482.5,392 421.03,392 418.53,389.5 418.53,384.5 421.03,382 482.5,382 485,379.5 485,374.5 482.5,372 421.33,372 418.83,369.5 418.83,364.5 421.33,362 482.5,362 485,359.5 485,323.83 v1(469.47,308.3)
SBA1: U5.T18 U6.N8 | length 706
  Top1 w4: v1@435,568.52 U5.T18@453.87,549.65 ; U6.N8@451.48,105.81 v1@463.98,118.31
  Signal2 w4: v1@435,569 425,559 425,478 395.67,448.67 395.67,444.04 398.01,441.7 408.3,441.7 411,439 411,434 396,419 396,233.63 384,221.63 384,204 377,197 377,146.14 379.5,143.64 384.5,143.64 387,146.14 387,192.86 389.5,195.36 394.5,195.36 397,192.86 397,170.5 399.5,168 412,168 423,157 423,143 431,135 463,135 465.98,132.02 v1(465.98,122.34)
  other v1: 435,567
SBA2: U5.V17 U6.M3 | length 676.9
  Top1 w4: U5.V17@401.87,575.65 v1(414.37,588.15) ; v1@469.47,276.3 U6.M3@481.97,263.8
  Bottom6 w4: v1(414.37,588.15) 426.22,600 449,600 457,592 457,575 451,569 451,552 472.48,530.52 472.48,485 469.98,482.5 460.5,482.5 458,480 458,475 460.5,472.5 470.17,472.5 472.67,470 472.67,465 470.17,462.5 451.5,462.5 449,460 449,455 451.5,452.5 475,452.5 477.5,450 477.5,445 475,442.5 449.03,442.5 446.53,440 446.53,435 449.03,432.5 493.5,432.5 496,430 496,425 493.5,422.5 441.33,422.5 438.83,420 438.83,415 441.33,412.5 493.5,412.5 496,410 496,302.83 v1@469.47,276.3
  other v1: 469.47,279.3
SCAS: U5.U15 U6.K3 | length 683.3
  Top1 w4: U5.U15@427.87,626.65 v1(440.37,639.15) ; U6.K3@545.48,263.8 546.96,263.8 558.46,275.3 v1(560.98,275.3)
  Bottom6 w4: v1(440.37,639.15) 469.47,610.04 469.47,585.53 505.17,549.83 505.17,524.83 530.87,499.13 530.87,465 530.87,460 530.87,452.5 528.37,450 511.14,450 508.64,447.5 508.64,442.5 511.14,440 528.37,440 530.87,437.5 530.87,432.5 528.37,430 511.14,430 508.64,427.5 508.64,422.5 511.14,420 528.37,420 530.87,417.5 530.87,412.5 528.37,410 511.14,410 508.64,407.5 508.64,402.5 511.14,400 528.37,400 530.87,397.5 530.87,392.5 528.37,390 511.14,390 508.64,387.5 508.64,382.5 511.14,380 528.37,380 530.87,377.5 530.87,372.5 528.37,370 511.14,370 508.64,367.5 508.64,362.5 511.14,360 528.37,360 530.87,357.5 530.87,352.5 528.37,350 511.14,350 508.64,347.5 508.64,342.5 511.14,340 528.37,340 530.87,337.5 530.87,335 530.87,305.41 v1(560.98,275.3)
SCK_N: R18.1 U5.AA20 U6.K7 | length 712.7
  Top1 w4: U5.AA20@325.87,498.65 317.87,506.65 314.55,506.65 307,499.1 307,425.86 299.3,418.16 299.3,401.88 287.98,390.56 287.98,201.64 312.14,177.48 516.52,177.48 536,158 550.28,158 v1(557.98,150.31) U6.K7@545.48,137.81
  Bottom6 w4: R18.1@506,122.34 506,133 515,142 523,142 535.25,154.25 550.79,154.25 554.73,150.31 v1(557.98,150.31)
SCK_P: R18.2 U5.AA19 U6.J7 | length 715.1
  Top1 w4: U5.AA19@325.87,524.65 317.87,516.65 310.41,516.65 297,503.24 297,430 289.3,422.3 289.3,406.03 277.98,394.7 277.98,197.5 308,167.48 510.52,167.48 530.69,147.31 530.69,133.51 539.88,124.31 563.98,124.31 v1(564.98,125.31) U6.J7@577.48,137.81
  Bottom6 w4: R18.2@546,122.34 547.49,123.82 563.49,123.82 v1(564.98,125.31)
SCKE0: U5.AA21 U6.K9 | length 693.6
  Top1 w4: v1(312.8,409.6) 312.8,412.85 317,417.05 317,464.78 U5.AA21@325.87,473.65 ; v1(532.47,62.31) U6.K9@544.97,74.81
  Signal5 w4: v1(312.8,409.6) 288,384.8 288,75 315,48 518.16,48 v1(532.47,62.31)
SCKE1: U5.Y21 U6.J9 | length 680.2
  Top1 w4: v1(350.87,421.87) U5.Y21@350.87,473.65 ; v1(564.47,62.31) U6.J9@576.97,74.81
  Signal5 w4: v1(350.87,421.87) 350.87,399.87 337,386 337,313.69 337.1,313.59 337.1,301 325.45,289.35 325.45,147.55 332,141 385,141 390,136 390,94 397,87 439,87 458.81,106.81 537,106.81 542.37,101.44 542.37,89.83 553.48,78.71 554.29,78.71 562.18,70.82 562.18,64.6 v1(564.47,62.31)
SCS0: U5.W20 U6.L2 | length 742
  Top1 w4: U5.W20@376.87,498.65 376.87,492.13 389.51,479.49 389.51,460.89 410.4,440 502,440 531,411 586.98,411 590.03,414.06 590.03,430.89 592.14,433 609.64,433 612.14,430.5 612.14,387.08 614.64,384.58 619.64,384.58 622.14,387.08 622.14,430.5 624.64,433 629.64,433 632.14,430.5 632.14,399.92 634.64,397.42 639.64,397.42 642.14,399.92 642.14,430.5 644.64,433 648.93,433 653,428.93 653,395 646,388 638,388 609.78,359.78 537.78,359.78 529,351 529,309.82 U6.L2@514.48,295.3
SCS1: U5.W21 U6.L1 | length 747.7
  Top1 w4: U5.W21@376.87,473.65 369.83,466.61 369.83,442.17 380,432 490.37,432 494,428.37 494,406 500,400 516.98,400 598.08,400 600.58,397.5 600.58,392.5 598.08,390 514.48,390 496.31,390 493.81,387.5 493.81,382.5 496.31,380 514.48,380 598.08,380 600.58,377.5 600.58,372.5 598.08,370 514.48,370 495.82,370 493.32,367.5 493.32,362.5 495.82,360 514.48,360 516.98,357.5 516.98,352.5 514.48,350 491.57,350 489.07,347.5 489.07,342.5 491.57,340 511.98,340 514.48,337.5 514.48,335 U6.L1@514.48,326.79
SDC0-CLK: U5.D20 U8.50 | length 837.6
  Top1 w4: v1(748.2,511.45) U5.D20@761,498.65
  Signal5 w4: v1(556.83,1149.57) 577,1129.41 577,1115.8 562.6,1101.4 562.6,745.8 580.2,728.2 580.2,679.8 600.8,659.2 600.8,635 610.6,625.2 649.4,625.2 656.6,618 694,618 711,601 711,548.65 v1(748.2,511.45)
  Bottom6 w4: v1(556.83,1149.57) U8.50@556.83,1195.14
SDC0-CMD: U5.F18 U8.48 | length 786
  Top1 w4: v1(697.32,562.15) U5.F18@709.82,549.65
  Signal5 w4: v1(556.83,1124.5) 542.4,1110.07 542.4,1022.4 523.2,1003.2 523.2,740.6 557.4,706.4 557.4,668.6 569,657 569,635 593.5,610.5 655.11,610.5 678.93,586.67 678.93,580.54 v1(697.32,562.15)
  Bottom6 w4: U8.48@537.15,1195.14 537.15,1139.19 v1@556.83,1119.5
SDC0-D0: U5.A19 U8.58 | length 856.5
  Top1 w4: U5.A19@837.77,524.65 v1@850.57,537.45
  Signal5 w4: v1(635.57,1149.57) 649.14,1136.01 649.14,1114.74 614,1079.6 614,952.2 643,923.2 643,814.46 632.34,803.8 632.34,782.06 647,767.4 647,746.31 678.31,715 725.4,715 777,663.4 777,639 796,620 824.2,620 864.6,579.6 864.6,553.48 v1(850.57,539.45)
  Bottom6 w4: v1(635.57,1149.57) U8.58@635.57,1195.14
SDC0-D1: U5.D19 U8.56 | length 817.5
  Top1 w4: v1(749.2,561.15) 749.2,536.45 U5.D19@761,524.65
  Signal5 w4: v1@635.57,1119.5 603.2,1087.13 603.2,946.8 611.6,938.4 611.6,831.61 620,823.21 620,776.6 633.6,763 633.6,742.4 671.65,704.35 721.65,704.35 769.5,656.5 769.5,628.83 734.7,594.04 734.7,572.3 741.63,565.37 741.73,565.37 745.96,561.15 v1(749.2,561.15)
  Bottom6 w4: U8.56@615.89,1195.14 615.89,1139.19 v1@635.57,1119.5
  other v1: 635.57,1124.5
SDC0-D2: U5.C20 U8.54 | length 906.4
  Top1 w4: v1(774.09,562.15) 774.09,511.15 U5.C20@786.59,498.65
  Signal5 w4: v1@596.2,1149.57 615,1130.78 615,1115 592.8,1092.8 592.8,938.8 599.8,931.8 599.8,814.4 608.8,805.4 608.8,766.2 623.6,751.4 623.6,718.55 677.15,665 746,665 762,649 762,633.56 727,598.56 727,561 744,544 755.94,544 v1(774.09,562.15)
  Bottom6 w4: v1@596.2,1149.57 U8.54@596.2,1195.14
  other v1: 600.2,1149.57
SDC0-D3: U5.E21 U8.52 | length 901.2
  Top1 w4: U5.E21@735.41,473.65 v1(747.91,461.15)
  Signal5 w4: v1(600.2,1124.5) 600.2,1115.8 581,1096.6 581,930.4 587.6,923.8 587.6,810 581,803.4 581,778.4 609,750.4 609,716.8 643,682.8 643,646.2 663.7,625.5 711.9,625.5 718.5,618.9 718.5,555.65 742.95,531.2 759,531.2 767.4,522.8 767.4,480.64 v1(747.91,461.15)
  Bottom6 w4: U8.52@576.52,1195.14 576.52,1139.19 v1@596.2,1119.5
SDC0-DET: U5.G18 U8.46 | length 786.6
  Top1 w4: v1(671.43,562.45) U5.G18@684.23,549.65
  Signal5 w4: v1(517.46,1149.57) 531.8,1135.24 531.8,1030.8 508.8,1007.8 508.8,906.4 492.6,890.2 492.6,867 507.4,852.2 507.4,736.8 522,722.2 522,679.61 556.87,644.74 556.87,630.53 584.4,603 652,603 671.43,583.57 v1(671.43,562.45)
  Bottom6 w4: v1(517.46,1149.57) U8.46@517.46,1195.14
SDQ0: U5.N20 U6.F8 | length 607.4
  Top1 w4: U5.N20@529.87,498.65 542.87,511.65 v1@567.61,511.65 ; v1(659.21,118.31) U6.F8@671.71,105.81
  Signal5 w4: v1@567.61,511.65 566.13,511.65 554,499.52 554,476.14 595.69,434.46 673.18,434.46 728.98,378.66 728.98,286.69 676,233.72 676,135.1 v1(659.21,118.31)
  other v1: 568.61,510.65
SDQ1: U5.P21 U6.F2 | length 566.1
  Top1 w4: U5.P21@504.87,473.65 v1(517.37,486.15) ; U6.F2@671.71,295.8 v1@684.21,308.3
  Signal5 w4: v1(517.37,486.15) 517.37,484.44 524,477.81 524,463.16 526.5,460.66 538.71,460.66 541.21,458.16 541.21,453.16 538.71,450.66 526.5,450.66 524,448.16 524,440.92 543.6,421.33 557.83,421.33 570.66,408.5 570.66,396.29 573.16,393.79 578.16,393.79 580.66,396.29 580.66,408.5 583.16,411 630,411 632.5,408.5 632.5,396.29 635,393.79 640,393.79 642.5,396.29 642.5,408.5 645,411 667.5,411 695,383.5 695,379.96 684.69,369.65 684.69,366.11 688.22,362.58 691.76,362.58 702.07,372.89 705.61,372.89 708.98,369.52 708.98,330.98 700,322 700,286 689.16,275.16 679.84,275.16 677,278 677,299.96 684.21,307.17 v1@684.21,308.3
  other v1: 682.21,308.3
SDQ2: U5.P20 U6.F7 | length 572.2
  Top1 w4: v1(492.37,511.15) U5.P20@504.87,498.65 ; v1(659.21,150.31) U6.F7@671.71,137.81
  Signal5 w4: v1(492.37,511.15) 512.85,511.15 535,489 535,481 595,421 672.5,421 718.98,374.52 718.98,290.84 659.21,231.07 v1(659.21,150.31)
SDQ3: U5.U21 U6.G2 | length 627.9
  Top1 w4: U5.U21@427.87,473.65 436,465.52 463.74,465.52 480.81,448.45 508.55,448.45 536,421 566,421 588,443 661.5,443 664,440.5 664,390.5 666.5,388 671.5,388 674,390.5 674,440.5 676.5,443 682,443 684.5,440.5 684.5,394.5 687,392 691,392 692,393 702,393 705,390 705,384 699,378 645,378 625,358 625,311.02 U6.G2@640.72,295.3
SDQ4: U5.R19 U6.E3 | length 580.6
  Top1 w4: U5.R19@478.87,524.65 479.17,524.65 v1(491.67,537.15) ; U6.E3@703.71,263.8 732.51,235 v1(765,235)
  Signal5 w4: v1(491.67,537.15) 504.67,524.15 577.85,524.15 578,524 595,507 595,492 615.35,471.65 664.27,471.65 749.98,385.95 749.98,307.02 768,289 768,243.34 767.3,242.64 767.3,237.3 v1(765,235)